# Altium PCB Inverter.PcbDoc (part 1 of 2) (continued)
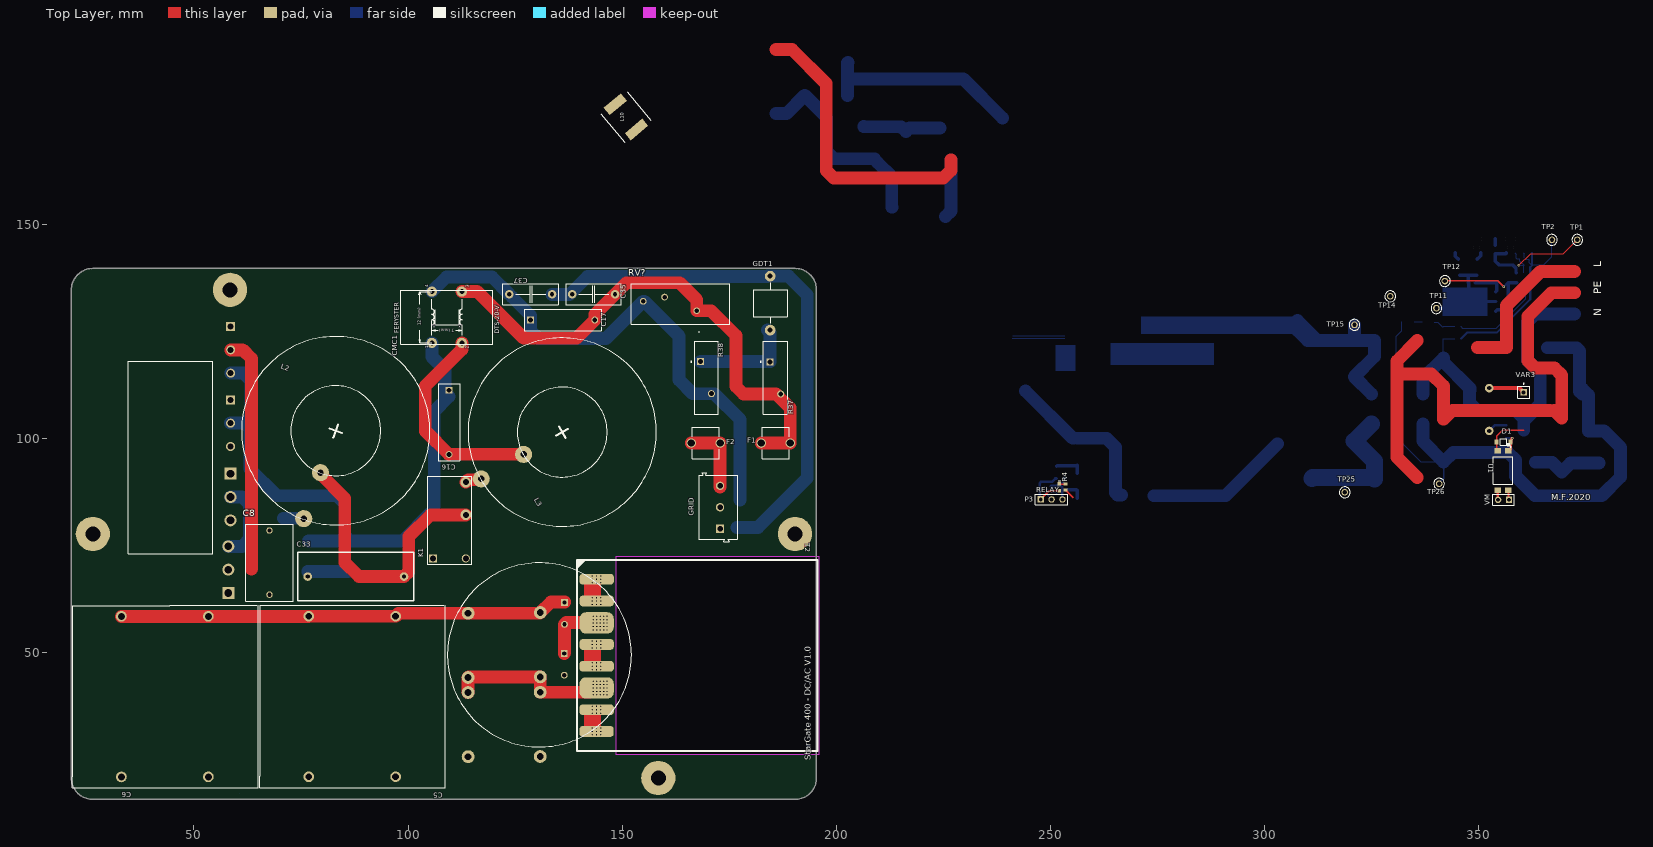
[diagram p0: Top Layer view]
## Part data (continued)
C45 C48: library part CMP-2007-00957-1, Capacitance=1uF, Case Code (Imperial)=0805, Case Code (Metric)=2012, Dielectric=X5R, Manufacturer=Murata, Manufacturer Part Number=GRM216R61E105KA12D, Max Operating Temperature=85°C, Min Operating Temperature=-55°C, Package Quantity=1, Supplier Part Number 1=13T1204, Tolerance=10%, Voltage=25V, Case/Package=0805, Category="Ceramic Capacitors", ComponentLink1Description=https://datasheet.ciiva.com/5424/product-5424880.pdf?src-supplier=Mouser, ComponentLink1URL=https://datasheet.ciiva.com/5424/product-5424880.pdf?src-supplier=Mouser, ComponentLink2Description=https://datasheet.ciiva.com/11787/0900766b80ef921d-11787891.pdf?src-supplier=RSComponents, ComponentLink2URL=https://datasheet.ciiva.com/11787/0900766b80ef921d-11787891.pdf?src-supplier=RSComponents, ComponentLink3Description=https://datasheet.ciiva.com/3777/337grm216r61e105ka1223-3777289.pdf?src-supplier=Arrow, ComponentLink3URL=https://datasheet.ciiva.com/3777/337grm216r61e105ka1223-3777289.pdf?src-supplier=Arrow, ComponentLink4Description=https://datasheet.ciiva.com/138/partnumbering-e-01-138517.pdf?src-supplier=Digi-Key, ComponentLink4URL=https://datasheet.ciiva.com/138/partnumbering-e-01-138517.pdf?src-supplier=Digi-Key, ComponentLink5Description=https://datasheet.ciiva.com/138/partnumbering-e-01-138518.pdf?src-supplier=Digi-Key, ComponentLink5URL=https://datasheet.ciiva.com/138/partnumbering-e-01-138518.pdf?src-supplier=Digi-Key, ComponentLink6Description=https://datasheet.ciiva.com/2989/product-2989638.pdf?src-supplier=Avnet, ComponentLink6URL=https://datasheet.ciiva.com/2989/product-2989638.pdf?src-supplier=Avnet, ComponentLink7Description=https://datasheet.ciiva.com/138/partnumbering-e-01-138519.pdf?src-supplier=Digi-Key, ComponentLink7URL=https://datasheet.ciiva.com/138/partnumbering-e-01-138519.pdf?src-supplier=Digi-Key, ComponentLink8Description=https://datasheet.ciiva.com/22706/1889704-22706791.pdf?src-supplier=Element14, ComponentLink8URL=https://datasheet.ciiva.com/22706/1889704-22706791.pdf?src-supplier=Element14, ComponentLink9Description=https://datasheet.ciiva.com/7719/c02e-7719049.pdf?src-supplier=Element14, ComponentLink9URL=https://datasheet.ciiva.com/7719/c02e-7719049.pdf?src-supplier=Element14, Depth=1.25mm, Height=0.6mm, Lead Free="Lead Free", Length=2mm, Material=Ceramic, Mount="Surface Mount", Number of Pins=2, Packaging="Tape and Reel", Part Number=GRM216R61E105KA12D, Pricing 1="1=0.32700, 10=0.28500, 25=0.25300, 50=0.15400, 100=0.12600, 250=0.10600, 500=0.08500, 1000=0.06700 (USD)", Radiation Hardening=No, REACH SVHC="No SVHC", RoHS=Yes, Supplier 1=Newark, Termination=SMD/SMT, Thickness=0.028inch, Voltage Rating=25V, Voltage Rating (DC)=25V, Width=1.25mm
C46: library part CMP-2007-04270-1, Capacitance=1nF, Case Code (Imperial)=0805, Case Code (Metric)=2012, Dielectric=C0G, Insulation Resistance=100GR, Manufacturer="AVX Interconnect / Elco", Manufacturer Part Number=08055A102JAT2A, Max Operating Temperature=125°C, Min Operating Temperature=-55°C, Package Quantity=1, Supplier Part Number 1=96K4776, Temperature coefficient=30ppm/°C, Tolerance=5%, Voltage=50V, Case/Package=0805, Category="Ceramic Capacitors", ComponentLink1Description=https://datasheet.ciiva.com/19476/2010721-19476296.pdf?src-supplier=Jameco, ComponentLink1URL=https://datasheet.ciiva.com/19476/2010721-19476296.pdf?src-supplier=Jameco, ComponentLink2Description=https://datasheet.ciiva.com/11786/0900766b802d4697-11786748.pdf?src-supplier=RSComponents, ComponentLink2URL=https://datasheet.ciiva.com/11786/0900766b802d4697-11786748.pdf?src-supplier=RSComponents, ComponentLink3Description=https://datasheet.ciiva.com/150/ccog-150560.pdf?src-supplier=Digi-Key, ComponentLink3URL=https://datasheet.ciiva.com/150/ccog-150560.pdf?src-supplier=Digi-Key, ComponentLink4Description=https://datasheet.ciiva.com/150/ccog-150561.pdf?src-supplier=Digi-Key, ComponentLink4URL=https://datasheet.ciiva.com/150/ccog-150561.pdf?src-supplier=Digi-Key, ComponentLink5Description=https://datasheet.ciiva.com/150/ccog-150562.pdf?src-supplier=Digi-Key, ComponentLink5URL=https://datasheet.ciiva.com/150/ccog-150562.pdf?src-supplier=Digi-Key, ComponentLink6Description=https://datasheet.ciiva.com/2987/ccog-2987974.pdf?src-supplier=Avnet, ComponentLink6URL=https://datasheet.ciiva.com/2987/ccog-2987974.pdf?src-supplier=Avnet, ComponentLink7Description=https://datasheet.ciiva.com/2987/ccog-2987975.pdf?src-supplier=Avnet, ComponentLink7URL=https://datasheet.ciiva.com/2987/ccog-2987975.pdf?src-supplier=Avnet, ComponentLink8Description=https://datasheet.ciiva.com/7812/759117-7812024.pdf?src-supplier=Element14, ComponentLink8URL=https://datasheet.ciiva.com/7812/759117-7812024.pdf?src-supplier=Element14, ComponentLink9Description=https://datasheet.ciiva.com/7812/759117-7812025.pdf?src-supplier=Element14, ComponentLink9URL=https://datasheet.ciiva.com/7812/759117-7812025.pdf?src-supplier=Element14, ComponentLink10Description=https://datasheet.ciiva.com/7812/759117-7812026.pdf?src-supplier=Element14, ComponentLink10URL=https://datasheet.ciiva.com/7812/759117-7812026.pdf?src-supplier=Element14, ComponentLink11Description=https://datasheet.ciiva.com/5424/ccog-5424443.pdf?src-supplier=Mouser, ComponentLink11URL=https://datasheet.ciiva.com/5424/ccog-5424443.pdf?src-supplier=Mouser, ComponentLink12Description=https://datasheet.ciiva.com/16537/ccog-16537023.pdf?src-supplier=Avnet+Asia, ComponentLink12URL=https://datasheet.ciiva.com/16537/ccog-16537023.pdf?src-supplier=Avnet+Asia, Contact Plating=Tin,Matte, Depth=1.25mm, Height=0.94mm, Lead Free="Lead Free", Length=2.01mm, Mount="Surface Mount,PCB", Number of Pins=2, Packaging="Tape and Reel", Part Number=08055A102JAT2A, Pricing 1="1=0.025000, 25=0.025000, 50=0.025000, 100=0.025000, 250=0.025000, 500=0.025000, 1000=0.025000, 2500=0.025000 (USD)", Radiation Hardening=No, REACH SVHC="No SVHC", RoHS=Yes, Stock 1=6328, Supplier 1=Newark, Termination=SMD/SMT, Thickness=0.037inch, Voltage Rating=50V, Voltage Rating (DC)=50V, Width=0.049inch
C49: library part CMP-2007-03546-1, Capacitance=4.7uF, Case Code (Imperial)=0805, Case Code (Metric)=2012, Dielectric=X5R, Manufacturer=Murata, Manufacturer Part Number=GRM21BR61E475MA12L, Max Operating Temperature=85°C, Min Operating Temperature=-55°C, Package Quantity=1, Supplier Part Number 1=40X5892, Tolerance=20%, Voltage=25V, Case/Package=0805, Category="Ceramic Capacitors", ComponentLink1Description=https://datasheet.ciiva.com/11613/product-11613336.pdf?src-supplier=Avnet, ComponentLink1URL=https://datasheet.ciiva.com/11613/product-11613336.pdf?src-supplier=Avnet, ComponentLink2Description=https://datasheet.ciiva.com/3777/grm21br61e475ma1223-3777629.pdf?src-supplier=Arrow, ComponentLink2URL=https://datasheet.ciiva.com/3777/grm21br61e475ma1223-3777629.pdf?src-supplier=Arrow, ComponentLink3Description=https://datasheet.ciiva.com/137/partnumbering-e-01-137408.pdf?src-supplier=Digi-Key, ComponentLink3URL=https://datasheet.ciiva.com/137/partnumbering-e-01-137408.pdf?src-supplier=Digi-Key, ComponentLink4Description=https://datasheet.ciiva.com/46444/1754705-46444999.pdf?src-supplier=Element14, ComponentLink4URL=https://datasheet.ciiva.com/46444/1754705-46444999.pdf?src-supplier=Element14, ComponentLink5Description=https://datasheet.ciiva.com/137/partnumbering-e-01-137406.pdf?src-supplier=Digi-Key, ComponentLink5URL=https://datasheet.ciiva.com/137/partnumbering-e-01-137406.pdf?src-supplier=Digi-Key, ComponentLink6Description=https://datasheet.ciiva.com/137/partnumbering-e-01-137407.pdf?src-supplier=Digi-Key, ComponentLink6URL=https://datasheet.ciiva.com/137/partnumbering-e-01-137407.pdf?src-supplier=Digi-Key, Depth=1.25mm, Height=1.25mm, Lead Free="Lead Free", Length=2mm, Mount="Surface Mount", Packaging="Tape and Reel", Part Number=GRM21BR61E475MA12L, Radiation Hardening=No, REACH SVHC="No SVHC", RoHS=Yes, Supplier 1=Newark, Termination=SMD/SMT, Thickness=0.053inch, Voltage Rating=25V, Voltage Rating (DC)=25V, Width=0.049inch
CMC1: library part CMC_2K2_100M_3216-SMD, "Common Mode Choke 2.2K Ohm 1206 SMD", Manufacturer 1="Wurth Electronics Inc", Manufacturer Part Number 1=744232222, Package / Case="Horizontal, 4 PC Pad", Ratings="2.2k Ohms at 100MHz", Supplier Part Number 1=732-1474-1-ND, ComponentLink1Description="744232222 datasheet", ComponentLink1URL=http://katalog.we-online.de/kataloge/eisos/media/pdf/744232222.pdf, Height (Max)="0.083\" (2.10mm)", Impedance="2200 Ohm at 100 MHz", PackageDescription="SMD Inductor, 4-Leads, Body 1.8 x 3.4 mm", SCDType=source, Supplier 1=Digi-Key
D1: library part CMP-1060-00602-1, "Zener Voltage Regulator, 500 mW, 2-Pin SOD-123, Pb-Free, Tape and Reel", Manufacturer="On Semiconductor", ComponentLink1Description="Manufacturer URL", ComponentLink1URL=http://www.onsemi.com/, ComponentLink2Description=Datasheet, ComponentLink2URL=http://www.onsemi.com/pub_link/Collateral/MMSZ4678T1-D.PDF, ComponentLink3Description="Package Specification", ComponentLink3URL=http://www.onsemi.com/pub_link/Collateral/425-04.PDF, DatasheetVersion="Rev. 9", Mounting Technology="Surface Mount", P Max (W)=0.5, PackageDescription="2-Pin SOD, Body 1.6 x 2.69 mm", PackageReference=SOD-123-2-425-04, PackageVersion="Rev. G, 10/2009", Packing="Tape and Reel", PartNumber=MMSZ4682T1G, RoHS=Pb-Free, VZ Typ (V)=2.7
D3 D4: library part CMP-1161-00003-1, "3rd Generation ThinQ SiC Schottky Diode, -55 to 175 degC, PG-TO220-2-1, Tube, Green", Manufacturer=Infineon, Supplier Part Number 1=IDH06G65C6XKSA1-ND, ComponentLink1Description="Manufacturer URL", ComponentLink1URL=http://www.infineon.com/, ComponentLink2Description=Datasheet, ComponentLink2URL=http://www.infineon.com/dgdl/IDH06SG60C_rev2.4.pdf?folderId=db3a30431ddc9372011ed0010fda1bd3&fileId=db3a30431ed1d7b2011eee0cadfb545a, ComponentLink3Description="Package Specification", ComponentLink3URL=http://www.infineon.com/dgdl/IDP09E120_v2_3G%5B1%5D.pdf?folderId=db3a304314dca38901151224afae0c96&fileId=db3a30432313ff5e01237a7d849d7c11, ComponentLink4Description=https://www.infineon.com/dgdl/Infineon-IDH06G65C6-DS-v02_00-EN.pdf?fileId=5546d4625cc9456a015cd4d37d7a2df6&src-supplier=Digi-Key, ComponentLink4URL=https://www.infineon.com/dgdl/Infineon-IDH06G65C6-DS-v02_00-EN.pdf?fileId=5546d4625cc9456a015cd4d37d7a2df6&src-supplier=Digi-Key, Manufacturer Part Number=IDH06G65C6XKSA1, Pricing 1="1=2,68000, 10=2,41000, 100=1,97460, 500=1,68092, 1000=1,41764 (USD)", RoHS=No, Stock 1=1521, Supplier 1=Digi-Key
D10: library part CMP-2000-07173-1, "High Voltage Power Schottky Rectifier, 1 A, 100 V, 2-Pin SMD (SMA), RoHS, Tape and Reel", Capacitance @ Vr, F=-, Current - Average Rectified (Io)=1A, Current - Reverse Leakage @ Vr=4µA@100V, Manufacturer=STMicroelectronics, Operating Temperature - Junction=175°C(Max), Package / Case=DO-214AC,SMA, Package Description="2-Pin Surface Mount Device, Body 4.275 x 2.575 mm", Package Reference=SMA, Standard Package=1, Supplier Device Package=SMA(DO-214AC), Voltage - DC Reverse (Vr) (Max)=100V, Voltage - Forward (Vf) (Max) @ If=770mV@1A, Category=DiscreteSemiconductorProducts, Datasheet URL=http://www.st.com/content/ccc/resource/technical/document/datasheet/e8/3c/6a/07/72/b0/40/88/CD00001304.pdf/files/CD00001304.pdf/jcr:content/translations/en.CD00001304.pdf, Datasheet Version=09/2008, Diode Type=Schottky, Family=Diodes,Rectifiers-Single, Kits=497-8006B-KIT-ND-KITSCHOTTKYDIODE11VALUES5EA, Manufacturer URL=http://www.st.com/, Mounting Technology=SurfaceMount, Mounting Type=SurfaceMount, Online Catalog=SchottkyDiode, Other Names=497-3209-1, Other Related Documents=STPS1H100ViewAllSpecifications, Package URL=http://www.st.com/st-web-ui/static/active/en/resource/technical/document/datasheet/CD00283518.pdf, Packaging=CutTape(CT), Reverse Recovery Time (trr)=-, Series=-, Speed=FastRecovery=200mA(Io)
D20 D21: library part CMP-0303-00003-1, "1.0 A Surface Mount Schottky Barrier Rectifier, 40 V, -65 to 125 degC, 2-Pin SOD-123 Package, RoHS, Tape and Reel", @ Terminal Temperature TT (degC)=90, Forward Voltage Drop VF (V)=0.45, Manufacturer="Diodes Inc", Maximum Average Rectified Current IO (A)=1, Maximum Reverse Current IR (uA)=50, Operating and Storage Temperature Range="-65 to 125 degC", Peak Forward Surge Current IFSM (A)=25, Peak Repetitive Reverse Voltage VRRM (V)=40, @ IF (A)=1, @ VR (V)=40, ComponentLink1Description="Manufacturer URL", ComponentLink1URL=http://www.diodes.com/, ComponentLink2Description=Datasheet, ComponentLink2URL=http://www.diodes.com/datasheets/ds30217.pdf, DatasheetVersion="Rev. 15-2", Mounting Technology="Surface Mount", PackageDescription="2-Pin SOD-123, Body 2.7 x 1.55 mm, Pitch 3.7 mm", PackageReference=SOD-123-2, Packing="Tape and Reel", PartNumber=1N5819HW-7-F, RoHS=TRUE, Total Capacitance CT (pF)=50, VR (RMS) (V)=28
D22: library part DZEN-AA-2, "TVS DIODE 5V 10V 0402", Manufacturer="Kyocera AVX", Supplier Part Number 1=478-10595-1-ND, ComponentLink1Description=http://www.farnell.com/datasheets/2280734.pdf?src-supplier=Farnell, ComponentLink1URL=http://www.farnell.com/datasheets/2280734.pdf?src-supplier=Farnell, ComponentLink2Description=http://datasheets.avx.com/AVX-GiGuard.pdf?src-supplier=Digi-Key, ComponentLink2URL=http://datasheets.avx.com/AVX-GiGuard.pdf?src-supplier=Digi-Key, Manufacturer Part Number=GG040205170N2P, Pricing 1="1=0.34000, 10=0.27700, 25=0.23160, 100=0.11330, 250=0.11148, 500=0.09450, 1000=0.06566, 2500=0.06103, 5000=0.05279 (USD)", RoHS=No, Stock 1=65534, Supplier 1=Digi-Key
D23: library part CMP-1060-00891-1, "Zener Voltage Regulator, 225 mW, 3-Pin SOT-23, Pb-Free, Tape and Reel", Case/Package=SOT-23-3, Forward Voltage=900mV, Manufacturer="On Semiconductor", Manufacturer Part Number=BZX84B5V6LT1G, Max Operating Temperature=150°C, Max Power Dissipation=225mW, Max Reverse Leakage Current=1uA, Min Operating Temperature=-65°C, Package Quantity=3000, Power Dissipation=300mW, Supplier Part Number 1=BZX84B5V6LT1GOSCT-ND, Test Current=5mA, Tolerance=2%, Zener Current=10mA, Category="Zener Diodes", ComponentLink1Description="Manufacturer URL", ComponentLink1URL=http://www.onsemi.com/, ComponentLink2Description=Datasheet, ComponentLink2URL=http://www.onsemi.com/pub_link/Collateral/BZX84C2V4LT1-D.PDF, ComponentLink3Description="Package Specification", ComponentLink3URL=http://www.onsemi.cn/pub_link/Collateral/318-08.PDF, ComponentLink4Description=https://datasheet.ciiva.com/15142/getdatasheetpartid-69223-15142352.pdf?src-supplier=Verical, ComponentLink4URL=https://datasheet.ciiva.com/15142/getdatasheetpartid-69223-15142352.pdf?src-supplier=Verical, ComponentLink5Description=https://datasheet.ciiva.com/894/bzx84c2v4lt1-d-894867.pdf?src-supplier=Digi-Key, ComponentLink5URL=https://datasheet.ciiva.com/894/bzx84c2v4lt1-d-894867.pdf?src-supplier=Digi-Key, ComponentLink6Description=https://datasheet.ciiva.com/26093/bzx84c2v4lt1-d-26093083.pdf?src-supplier=Avnet+Europe, ComponentLink6URL=https://datasheet.ciiva.com/26093/bzx84c2v4lt1-d-26093083.pdf?src-supplier=Avnet+Europe, ComponentLink7Description=https://datasheet.ciiva.com/22626/1874542-22626844.pdf?src-supplier=Element14, ComponentLink7URL=https://datasheet.ciiva.com/22626/1874542-22626844.pdf?src-supplier=Element14, ComponentLink8Description=https://datasheet.ciiva.com/894/bzx84c2v4lt1-d-894866.pdf?src-supplier=Digi-Key, ComponentLink8URL=https://datasheet.ciiva.com/894/bzx84c2v4lt1-d-894866.pdf?src-supplier=Digi-Key, ComponentLink9Description=https://datasheet.ciiva.com/894/bzx84c2v4lt1-d-894868.pdf?src-supplier=Digi-Key, ComponentLink9URL=https://datasheet.ciiva.com/894/bzx84c2v4lt1-d-894868.pdf?src-supplier=Digi-Key, ComponentLink10Description=https://datasheet.ciiva.com/8347/bzx84c2v4lt1-d-8347015.pdf?src-supplier=Avnet, ComponentLink10URL=https://datasheet.ciiva.com/8347/bzx84c2v4lt1-d-8347015.pdf?src-supplier=Avnet, ComponentLink11Description=https://datasheet.ciiva.com/22626/1874542-22626846.pdf?src-supplier=Element14, ComponentLink11URL=https://datasheet.ciiva.com/22626/1874542-22626846.pdf?src-supplier=Element14, ComponentLink12Description=https://datasheet.ciiva.com/18434/70100187-18434591.pdf?src-supplier=Allied+Electronics, ComponentLink12URL=https://datasheet.ciiva.com/18434/70100187-18434591.pdf?src-supplier=Allied+Electronics, DatasheetVersion="Rev. 17", Element Configuration=Single, Halogen Free="Halogen Free", Height=0.94mm, Impedance=40R, Lead Free="Lead Free", Length=2.9mm, Material=Plastic, Mounting Technology="Surface Mount", Number of Pins=3, PackageDescription="3-Pin Small Outline Transistor, Body 2.92 x 1.3 mm, Pitch 0.95 mm", PackageReference=SOT-23-3-318-08, PackageVersion="Rev. AP, 11/2009", Packaging="Tape and Reel", Packing="Tape and Reel", PartNumber=BZX84B5V6LT1G, Peak Reverse Current=1uA, Power Rating=225mW, Pricing 1="1=0.17000, 10=0.15800, 100=0.06630, 500=0.05206, 1000=0.03615 (USD)", Radiation Hardening=No, REACH SVHC="No SVHC", RoHS=Pb-Free, Stock 1=22654, Supplier 1=Digi-Key, Voltage Rating (DC)=5.6V, Voltage Tolerance=2%, VZ Typ (V)=5.6, Width=1.3mm, Working Voltage=5.6V, Zener Voltage=5.6V
F1 F2: library part CMP-0956-00001-1, "Straight PC Leg Fuse Clip-W/O Orientation Leg P/N, 15 A, 2-Pin THD", Current Rating="15 A", Manufacturer=Keystone, ComponentLink1Description="Manufacturer URL", ComponentLink1URL=http://www.keyelco.com/, ComponentLink2Description=Datasheet, ComponentLink2URL=http://www.keyelco.com/product-pdf.cfm?p=354, DatasheetVersion="Rev. E", Fuse Entry=Vertical, Fuse Type=Cylindrical, Mounting Technology="Through Hole", PackageDescription="2-Pin THD, Pin Spacing 6.76 mm, Height 8.71 mm", PackageReference=3517-2, PartNumber=3517, Style=CLIP, UL Recognized=Yes
GDT1: "GDT 240VAC 10KA THROUGH HOLE", Breakdown Voltage=715V, Capacitance=1pF, Manufacturer=Littelfuse, Manufacturer Part Number=AC240L, Max Operating Temperature=125°C, Min Breakdown Voltage=425V, Min Operating Temperature=-40°C, Package Quantity=350, Peak Pulse Current=10A, Supplier Part Number 1=F2725-ND, Voltage Rating=240V, Category=Uncategorized, ComponentLink1Description=https://datasheet.ciiva.com/25606/0900766b81123301-25606550.pdf?src-supplier=RSComponents, ComponentLink1URL=https://datasheet.ciiva.com/25606/0900766b81123301-25606550.pdf?src-supplier=RSComponents, ComponentLink2Description=https://datasheet.ciiva.com/15226/getdatasheetpartid-76877-15226854.pdf?src-supplier=Verical, ComponentLink2URL=https://datasheet.ciiva.com/15226/getdatasheetpartid-76877-15226854.pdf?src-supplier=Verical, ComponentLink3Description=https://datasheet.ciiva.com/323/littelfuse-gdt-ac-cg3-series-323306.pdf?src-supplier=Digi-Key, ComponentLink3URL=https://datasheet.ciiva.com/323/littelfuse-gdt-ac-cg3-series-323306.pdf?src-supplier=Digi-Key, ComponentLink4Description=https://datasheet.ciiva.com/22727/littelfuse-src-gdt-ac-series-r1-22727434.pdf?src-supplier=Element14, ComponentLink4URL=https://datasheet.ciiva.com/22727/littelfuse-src-gdt-ac-series-r1-22727434.pdf?src-supplier=Element14, ComponentLink5Description=https://datasheet.ciiva.com/18416/70184210-18416011.pdf?src-supplier=Allied+Electronics, ComponentLink5URL=https://datasheet.ciiva.com/18416/70184210-18416011.pdf?src-supplier=Allied+Electronics, ComponentLink6Description=https://datasheet.ciiva.com/1272/447910-1272796.pdf?src-supplier=Element14, ComponentLink6URL=https://datasheet.ciiva.com/1272/447910-1272796.pdf?src-supplier=Element14, Fail Short=No, Height=8mm, Lead Free="Lead Free", Length=6.07mm, Max Breakdown Voltage=715V, Mount="Through Hole,Axial,Plug-In", Number of Pins=2, Number of Poles=2, Packaging=Tray, Pricing 1="1=3.08000, 5=2.93200, 10=2.78400, 50=2.24720, 100=1.90520, 350=1.85631, 700=1.56320, 1050=1.39223, 5250=1.22125 (USD)", REACH SVHC=Unknown, RoHS=Yes, Stock 1=1428, Supplier 1=Digi-Key, Termination=Axial
GRID: library part CMP-1502-03257-1, "Series 101 - 5.00 mm Horizontal Entry Modular with Pressure Clamp WR-TBL, 3 pin", Manufacturer="Wurth Elektronik", Operating Temperature=-40to105degC, Datasheet URL=http://katalog.we-online.de/em/datasheet/6911017100xx.pdf, Manufacturer URL=http://www.we-online.de, Mounting Technology=THT, Package Reference=691101710003, Packaging=Box, Part Number=691101710003, Pin Number=3, Pitch=5.00mm, Publisher=WurthElektronik
J10 J11: library part CMP-1022-00012-1, "Low Profile Dual Wipe Socket, Surface Mount, Vertical, -55 to 125 degC, 2 mm Pitch, 8-Pin, Female, RoHS", Manufacturer=Samtec, Temperature Range="-55 to 125 degC", ComponentLink1Description="Manufacturer URL", ComponentLink1URL=http://www.samtec.com, ComponentLink2Description=Datasheet, ComponentLink2URL=http://www.samtec.com/documents/webfiles/pdf/CLT.PDF, ComponentLink3Description="Package Specification", ComponentLink3URL=http://www.samtec.com/documents/webfiles/cpdf/CLT-1XX-02-XX-D-XX-MKT.pdf, DatasheetVersion=F-214, Mounting Technology="Surface Mount", Orientation=Vertical, PackageDescription="2mm Low Profile Socket Strip", PackageReference=CLT-104-02-X-D-BE, PackageVersion="CA, 10/1994", PartNumber=CLT-104-02-L-D-BE, Pitch="2 mm", RoHS=True
K1: library part CMP-1503-00190-1, "LQ Relays, 12 V Coil Voltage, 200 mW Nominal Operating Power, -40 to 85 degC, 4-Pin LQ, Carton, Case, RoHS", Coil Voltage="12 V", Manufacturer=Panasonic, Max Switching Current="10 A (N.O.), 3 A (N.C.)", Max Switching Voltage="250 V AC", Nominal Operating Power="200 mW", ComponentLink1Description="Manufacturer URL", ComponentLink1URL=http://www3.panasonic.biz/ac/ae/index.jsp, ComponentLink2Description=Datasheet, ComponentLink2URL=http://www3.panasonic.biz/ac/e_download/control/relay/power/catalog/mech_eng_lq.pdf?f_cd=401220, ComponentLink3Description="Package Specification", ComponentLink3URL=http://www3.panasonic.biz/ac/e_download/control/relay/power/catalog/mech_eng_lq.pdf?f_cd=401220, DatasheetVersion=201410-T, Electrical Life=5x10^4, Mechanical Life(Min.operation)=1x10^7, Mounting Technology="Through Hole", PackageDescription="4-Pin Through Hole Terminal Package, Body 20 x 10 mm", PackageReference=LQ-4-2000x1000x1600, PackageVersion="ASCTB92E, 10/2014", Packing="Carton, Case", PartNumber=ALQ312, Pb-Free=True, RoHS=True, Series="LQ Relays"
L2 L3: library part INDC_150n_1008, "Inductor SMD chip 150nH 1008", Manufacturer 1="TDK Corporation", Manufacturer Part Number 1=NLV25T-R15J-PF, Package / Case="1008 (2520 Metric)", Ratings="500 mA", Supplier Part Number 1=445-1715-1-ND, Tolerance=±5%, SCDType=spec, Supplier 1=Digi-Key
L8 L9: library part CMP-0220-00149-1, "SMD EMI Suppression Ferrite Bead WE-CBF, Z = 1500 Ohm", ComponentLink1Description="Manufacturer Link", ComponentLink1URL=http://www.we-online.com, ComponentLink2Description=Datasheet, ComponentLink2URL=http://www.we-online.de/katalog/media/pdf/742792097.pdf, DatasheetVersion=Dec-2005, Impedance="1500 Ohm", PackageDescription="Chip Inductor, 2-Leads, Body 2.0 x 1.2 mm", PackageReference=SMD-0805, PackageVersion=2005
L10: library part MPX1D0840L470, "Inductor 22uH", Manufacturer_Name=Kemet, Manufacturer_Part_Number=MPX1D0840L220, Mouser Part Number=80-MPX1D0840L220, Datasheet Link=https://componentsearchengine.com/Datasheets/1/MPX1D0840L470.pdf, Height=4mm, Mouser Price/Stock=https://www.mouser.com/Search/Refine.aspx?Keyword=80-MPX1D0840L470
P3: "Header, 3-Pin", LatestRevisionDate=17-Jul-2002, LatestRevisionNote="Re-released for DXP Platform.", Publisher="Altium Limited"
Q6: library part CMP-1048-00517-1, "NPN Silicon Epitaxial Transistor, 4-Pin SOT-223, Pb-Free, Tape and Reel", Case/Package=SOT-223-4, Collector Base Voltage (VCBO)=100V, Collector Emitter Breakdown Voltage=80V, Collector Emitter Saturation Voltage=500mV, Current Rating=1A, Emitter Base Voltage (VEBO)=5V, Frequency=130MHz, Manufacturer="On Semiconductor", Manufacturer Part Number=BCP56-16T1G, Max Operating Temperature=150°C, Max Power Dissipation=1.5W, Min Operating Temperature=-65°C, Package Quantity=1000, Supplier Part Number 1=BCP56-16T1GOSCT-ND, Category=BJTs, Collector Emitter Voltage (VCEO)=80V, ComponentLink1Description="Manufacturer URL", ComponentLink1URL=http://www.onsemi.com/, ComponentLink2Description=Datasheet, ComponentLink2URL=http://www.onsemi.com/pub_link/Collateral/BCP56T1-D.PDF, ComponentLink3Description="Package Specification", ComponentLink3URL=http://www.onsemi.com/pub_link/Collateral/318E-04.PDF, ComponentLink4Description=https://datasheet.ciiva.com/15139/getdatasheetpartid-110207-15139278.pdf?src-supplier=Verical, ComponentLink4URL=https://datasheet.ciiva.com/15139/getdatasheetpartid-110207-15139278.pdf?src-supplier=Verical, ComponentLink5Description=https://datasheet.ciiva.com/976/bcp56t1-d-976689.pdf?src-supplier=Digi-Key, ComponentLink5URL=https://datasheet.ciiva.com/976/bcp56t1-d-976689.pdf?src-supplier=Digi-Key, ComponentLink6Description=https://datasheet.ciiva.com/976/bcp56t1-d-976690.pdf?src-supplier=Digi-Key, ComponentLink6URL=https://datasheet.ciiva.com/976/bcp56t1-d-976690.pdf?src-supplier=Digi-Key, ComponentLink7Description=https://datasheet.ciiva.com/976/bcp56t1-d-976691.pdf?src-supplier=Digi-Key, ComponentLink7URL=https://datasheet.ciiva.com/976/bcp56t1-d-976691.pdf?src-supplier=Digi-Key, ComponentLink8Description=https://datasheet.ciiva.com/16218/bcp56t1-d-16218471.pdf?src-supplier=Future+Electronics, ComponentLink8URL=https://datasheet.ciiva.com/16218/bcp56t1-d-16218471.pdf?src-supplier=Future+Electronics, ComponentLink9Description=https://datasheet.ciiva.com/16478/bcp56t1-d-16478825.pdf?src-supplier=Avnet+Asia, ComponentLink9URL=https://datasheet.ciiva.com/16478/bcp56t1-d-16478825.pdf?src-supplier=Avnet+Asia, ComponentLink10Description=https://datasheet.ciiva.com/11198/bcp56t1-d-11198028.pdf?src-supplier=Avnet, ComponentLink10URL=https://datasheet.ciiva.com/11198/bcp56t1-d-11198028.pdf?src-supplier=Avnet, Contact Plating=Tin,Matte, DatasheetVersion="Rev. 8", Element Configuration=Single, Gain Bandwidth Product=130MHz, Height=1.57mm, hFE Min=25, IC Continuous (A)=1, Lead Free="Lead Free", Length=6.5mm, Max Breakdown Voltage=80V, Max Collector Current=1A, Max Frequency=130MHz, Mounting Technology="Surface Mount", Number of Elements=1, Number of Pins=4, PackageDescription="4-Pin Small Outline Transistor, Body 6.5 x 3.5 mm, Pitch 2.3 mm", PackageReference=SOT-223-4-318E-04, PackageVersion="Rev. N, 08/2009", Packaging="Tape and Reel", Packing="Tape and Reel", PartNumber=BCP56-16T1G, Polarity=NPN, Power Dissipation=1.5W, Pricing 1="1=0.41000, 10=0.30400, 100=0.14440, 500=0.11784 (USD)", Radiation Hardening=No, REACH SVHC="No SVHC", RoHS=TRUE, Stock 1=56232, Supplier 1=Digi-Key, Transition Frequency=130MHz, Voltage Rating (DC)=80V, Width=3.5mm
Q16: library part CMP-0434-00001-1, "N-channel 60 V, 1.8 Ohm, 0.35 A STripFET(TM) II Power MOSFET, SOT23", Manufacturer=STMicroelectronics, ComponentLink1Description="Manufacturer URL", ComponentLink1URL=http://www.st.com/, ComponentLink2Description=Datasheet, ComponentLink2URL=http://www.st.com/st-web-ui/static/active/en/resource/technical/document/datasheet/CD00005134.pdf, DatasheetVersion="Rev. 9, 11/2008", Mounting Technology="Surface Mount", PackageDescription="3-Pin SOT23, 3.016 x 2.8 mm Body, 0.95 mm Pitch", PackageReference=SOT-23, PartNumber=2N7002
Q17 Q23: library part CMP-1166-00047-1, "600 V IGBT in TrenchStop and Fieldstop Technology with Soft, Fast Recovery Anti-Parallel EmCon HE Diode, 80 A IC, -40 to 175 degC, PG-TO247-3, Tube, Green", Case/Package=TO-247, Collector Emitter Breakdown Voltage=650V, Manufacturer=Infineon, Manufacturer Part Number=IKW30N65EL5XKSA1, Max Collector Current=85A, Max Operating Temperature=175°C, Max Power Dissipation=227W, Min Operating Temperature=-40°C, Supplier Part Number 1=IKW30N65EL5XKSA1IN-ND, Switching Frequency=50Hz, Collector Emitter Voltage (VCEO)=650V, ComponentLink1Description=http://www.mouser.com/ds/2/196/Infineon-IKW30N65EL5-DS-v02_01-EN-534334.pdf?src-supplier=Mouser, ComponentLink1URL=http://www.mouser.com/ds/2/196/Infineon-IKW30N65EL5-DS-v02_01-EN-534334.pdf?src-supplier=Mouser, ComponentLink2Description=http://www.infineon.com/dgdl/Infineon-IKW30N65EL5-DS-v02_01-EN.pdf?fileId=5546d4624b0b249c014b11cd5d3c3acb&src-supplier=Digi-Key, ComponentLink2URL=http://www.infineon.com/dgdl/Infineon-IKW30N65EL5-DS-v02_01-EN.pdf?fileId=5546d4624b0b249c014b11cd5d3c3acb&src-supplier=Digi-Key, ComponentLink3Description=http://www.infineon.com/dgdl/Infineon-IKW30N65EL5-DS-v02_01-EN.pdf?fileId=5546d4624b0b249c014b11cd5d3c3acb&src-supplier=Avnet, ComponentLink3URL=http://www.infineon.com/dgdl/Infineon-IKW30N65EL5-DS-v02_01-EN.pdf?fileId=5546d4624b0b249c014b11cd5d3c3acb&src-supplier=Avnet, Element Configuration=Single, Halogen Free="Halogen Free", Lead Free="Lead Free", Mount="Through Hole", Number of Pins=3, Packaging=Rail/Tube, Pricing 1="1=5,78000, 10=5,19000, 100=4,25220, 500=3,61986, 1000=3,05290 (USD)", Reverse Recovery Time=100ns, RoHS=Yes, Stock 1=503, Supplier 1=Digi-Key